# Altium PCB Bran_Main_Assay_PCB_v2_20170828.pcbdoc (part 4 of 5) (continued)
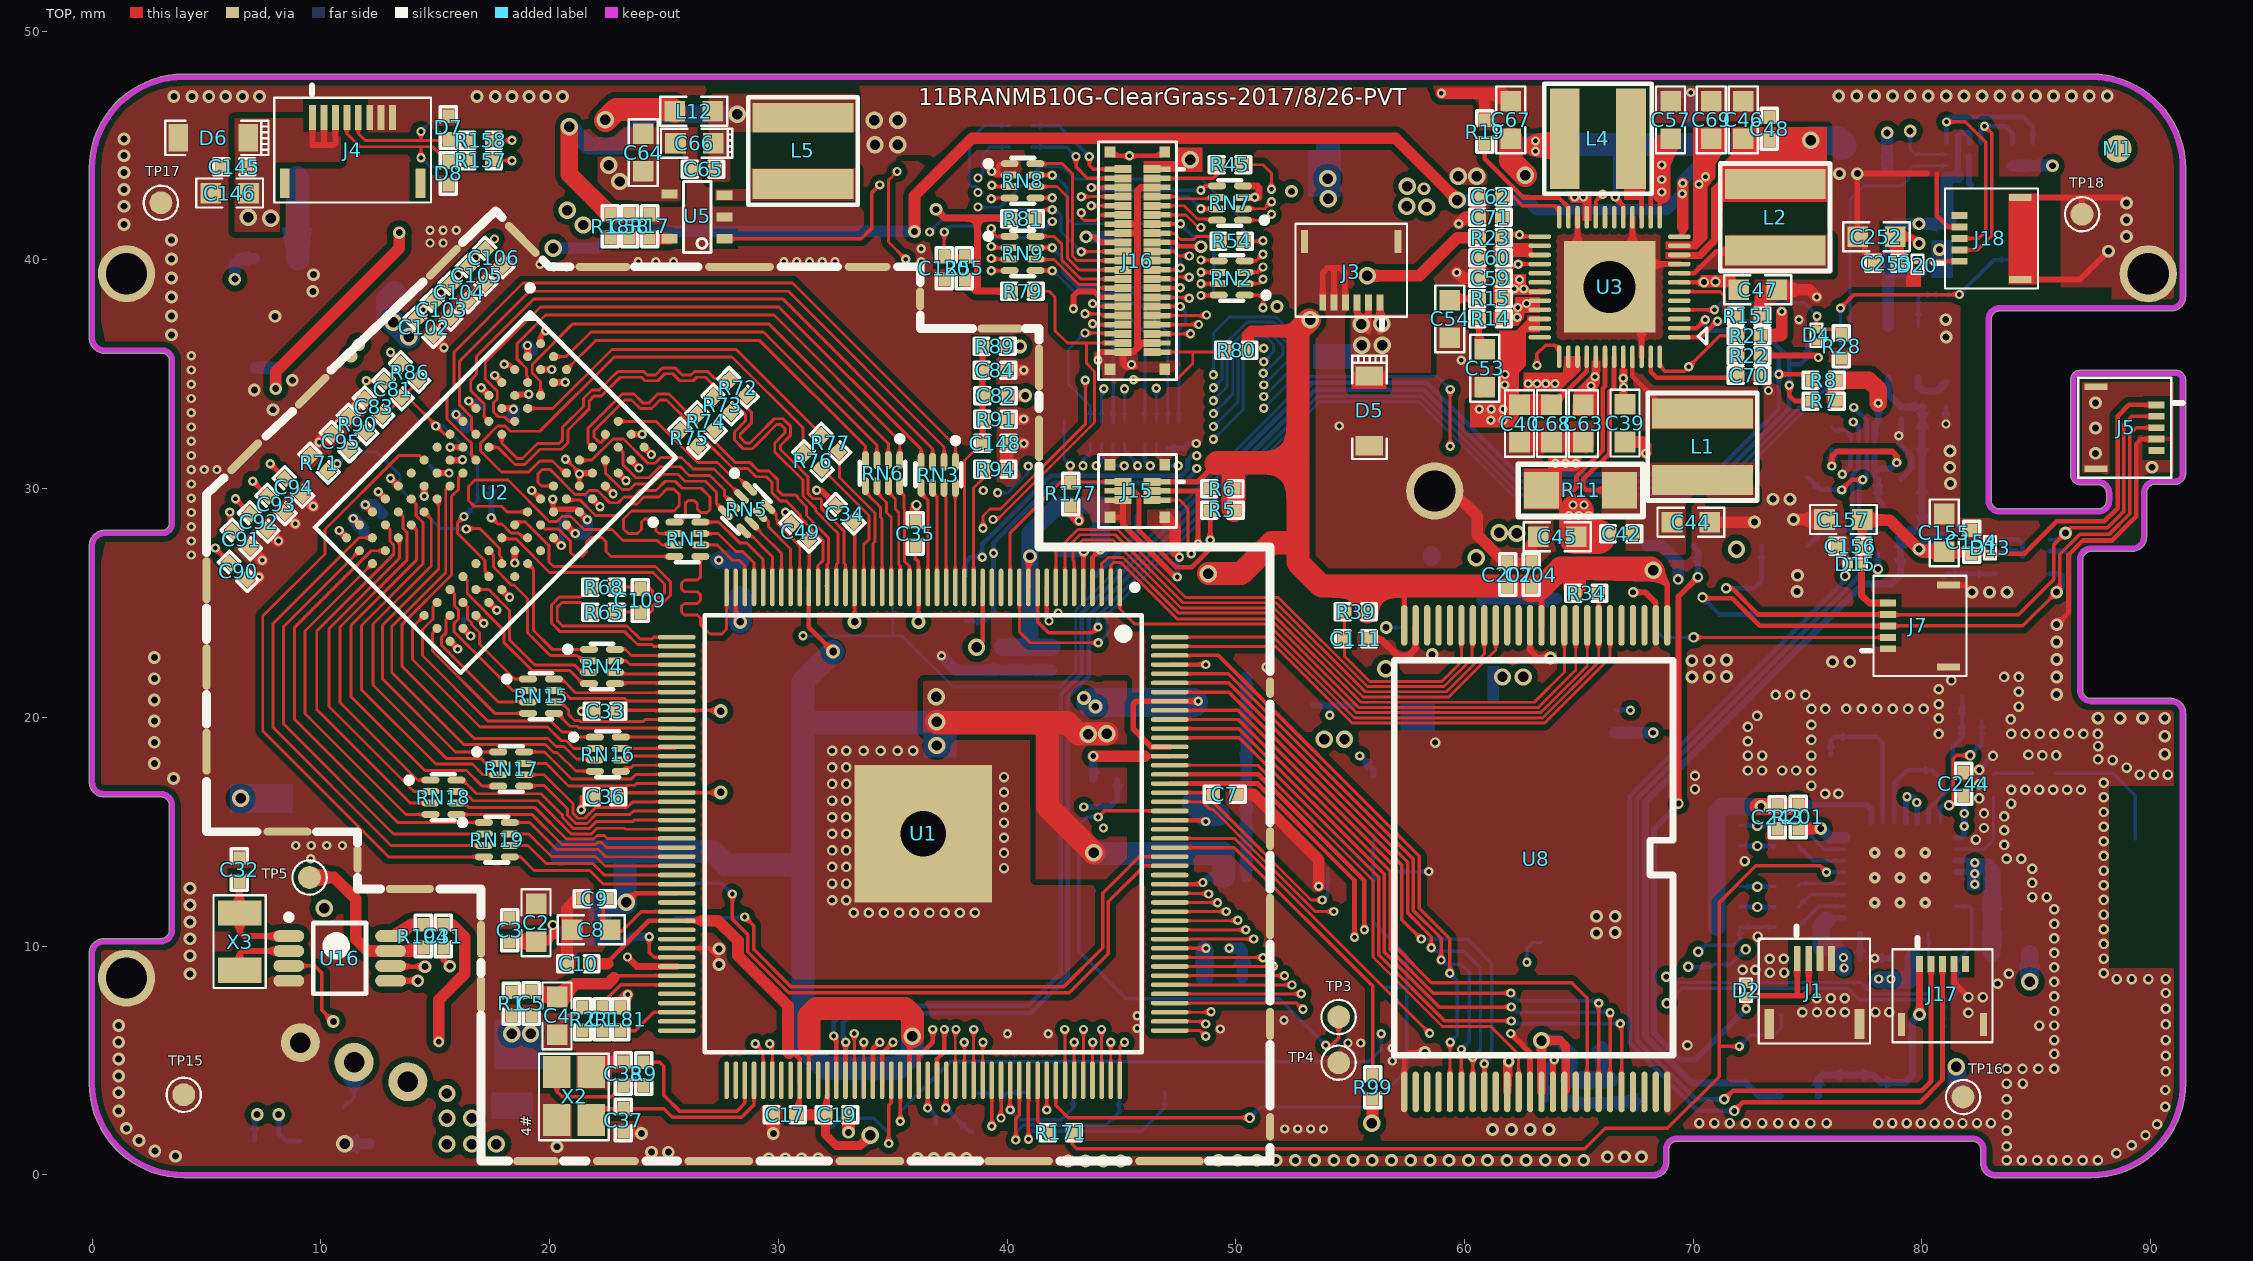
[diagram p0: TOP view]
## Nets (pads, with @x,y where several pads share a name; then routed paths per layer and width w, separated by ;. In a path a pad name is that pad's centre, name@x,y a point inside that pad or via, vN(x,y) a via of type N, cw(c..) or ccw(c..) an arc to the next point about the centre after c; other vN are vias at no path point) (continued)
  Singal w0.203: v3(14.548,9.1) 18.548,5.101 33.896,5.101 34.43,5.634 v1(34.43,5.799) 34.43,7.082 35.268,7.92 38.9,7.92 40.333,9.354 40.333,21.731 39.687,22.377 39.687,26.232 v1(38.911,27.008) ; v1(48.298,31.441) 48.704,31.441 49.314,30.831 49.314,27.478 49.136,27.301 48.628,27.301 v1(48.349,27.58)
  BOTTOM w0.203: TP28.1@38.2,26.2 38.2,26.809 38.399,27.008 v1(38.911,27.008) 38.911,27.57 41.912,30.571 47.622,30.571 47.892,30.841 47.892,31.263 48.069,31.441 v1(48.298,31.441)
TWI1-SDA: J15.4 R5.2 TP29.1 U1.106 U16.5 | length 79.3
  TOP w0.127: J15.4@44.475,29.9 J15.4@45.065,29.9
  TOP w0.203: U16.5@13.082,8.524 U16.5@13.044,8.485 13.045,8.484 v3(14.236,8.484) ; U1.106@34.535,4.133 34.535,5.32 v1(35.014,5.799) ; J15.4@45.065,29.9 45.582,29.9 45.767,29.716 45.767,28.189 47.387,26.568 48.079,26.568 48.882,27.371 v1(48.882,27.758) 48.882,29.119 R5.2@48.89,29.127
  Singal w0.203: v3(14.236,8.484) 14.734,8.484 18.421,4.796 34.15,4.796 35.014,5.66 v1(35.014,5.799) 35.014,7.145 35.484,7.616 39.026,7.616 40.638,9.228 40.638,21.857 40.038,22.457 40.038,26.544 v1(39.408,27.174) ; v1(48.298,30.882) 48.73,30.882 48.882,30.73 v1(48.882,27.758)
  BOTTOM w0.203: TP29.1@38.2,24.2 38.995,24.2 39.408,24.613 v1(39.408,27.174) 39.408,27.636 42.039,30.266 47.748,30.266 48.298,30.816 v1(48.298,30.882)
TWI2-SCK: J5.3 J7.3 J18.3 R4.2 TP35.1 U1.161 U10.1 U20.7 U21.4 | length 108.1
  TOP w0.152: J7.3@78.52,24 84.418,24 v3(85.894,25.476) 86.028,25.611 86.028,27.127 86.917,28.016 88.205,28.016 89.09,28.902 89.09,32.385 89.369,32.664 J5.3@90.263,32.664 ; v1(81.076,46.037) 81.894,46.037 82.791,45.14 82.791,41.245 82.488,40.942 J18.3@81.648,40.942
  TOP w0.203: U1.161@47.11,17.508 50.984,17.508 55.624,12.868 v1(55.624,10.715) ; v2(70.407,25.243) 70.445,25.205 71.712,25.205 72.917,24 J7.3@78.52,24
  Singal w0.203: v1(55.624,10.715) 56.436,10.715 57.528,11.807 60.4,11.807 65.759,17.165 65.759,21.448 68.822,24.511 69.675,24.511 v2(70.407,25.243) 70.729,25.565 70.729,29.315 73.947,32.533 76.005,32.533 v1(77.025,33.553) 77.355,33.884 77.355,42.316 v1(81.076,46.037)
  BOTTOM w0.203: v2(70.407,25.243) 71.15,24.5 TP35.1@73,24.5 ; v1(77.025,33.553) 77.581,32.997 U20.7@77.581,32.11 ; U10.1@81.076,45.119 v1(81.076,46.037) 81.292,46.253 84.417,46.253 84.849,45.822 R4.2@84.849,45.123 ; U21.4@85.578,26.276 86.042,26.276 86.155,26.162 86.155,25.738 v3(85.894,25.476)
TWI2-SDA: J5.2 J7.4 J18.2 R3.2 TP36.1 U1.160 U10.4 U20.6 U21.1 | length 114
  TOP w0.152: J7.4@78.52,24.5 78.535,24.486 84.225,24.486 85.774,26.035 85.774,27.559 v3(86.282,28.067) ; J18.2@81.648,40.442 82.442,40.442 83.054,41.054 83.054,45.533 v1(82.74,45.847) ; v3@86.181,28.067 v3(86.282,28.067) ; J5.2@90.263,33.164 89.184,33.164 88.836,32.817 88.836,29.007 88.111,28.282 86.497,28.282 v3(86.282,28.067)
  TOP w0.203: U1.160@47.11,17.108 50.953,17.108 55.192,12.869 v1(55.192,10.384) ; v2(71.437,25.65) 71.699,25.65 72.848,24.5 J7.4@78.52,24.5
  Singal w0.127: 60.529,11.45 66.089,17.01 66.089,17.533
  Singal w0.203: v1(55.192,10.384) 55.269,10.308 56.461,10.308 57.641,11.488 60.513,11.488 66.064,17.039 66.064,21.322 68.948,24.206 69.98,24.206 70.472,24.698 ; 70.783,25.009 70.472,24.698 ; v2(71.437,25.65) 71.034,25.65 ; v1(82.74,45.847) 81.546,45.847 81.229,45.529 80.999,45.529 77.66,42.19 77.66,33.579 v1(77,32.918) 76.309,32.228 74.074,32.228 71.034,29.188 71.034,25.65 ; 70.472,24.698 70.472,24.685 71.034,25.246 71.034,25.65
  BOTTOM w0.152: U21.1@85.578,27.776 86.005,27.776 86.282,28.053 v3(86.282,28.067)
  BOTTOM w0.203: v2(71.437,25.65) 72.677,25.65 73,25.972 TP36.1@73,27.5 ; v1(77,32.918) 77.231,32.687 U20.6@77.231,32.11 ; U10.4@82.576,45.119 82.576,45.695 82.728,45.847 v1(82.74,45.847) 83.654,45.847 83.96,45.542 R3.2@83.96,45.123
UART0_RX: TP55.1 U1.112 | length 40.8
  TOP w0.203: U1.112@36.935,4.133 36.935,5.064 37.26,5.389 v1(37.26,6.358)
  Singal w0.203: v3(8.153,2.641) 7.518,3.276 7.518,6.406 8.334,7.221 15.134,7.221 18.169,4.187 35.558,4.187 37.26,5.889 v1(37.26,6.358)
  BOTTOM w0.203: v3(8.153,2.641) 8.153,1.803 8.479,1.477 TP55.1@9.1,1.477
UART0_TX: TP54.1 U1.110 | length 39.9
  TOP w0.203: U1.110@36.135,4.133 36.135,5.182 36.752,5.799 v1(36.752,6.358)
  Singal w0.203: v3(7.214,2.641) 7.214,6.532 8.208,7.526 15.26,7.526 18.295,4.491 35.432,4.491 36.752,5.812 v1(36.752,6.358)
  BOTTOM w0.203: TP54.1@7.1,1.477 TP54.1@7.1,1.5 7.1,2.528 v3(7.214,2.641)
UBOOT: TP3.1 TP57.1 U1.157 | length 25.3
  TOP w0.152: v1(43.991,15.642) 44.257,15.908 U1.157@47.11,15.908 ; 54.169,5.655 54.5,5.986 TP3.1@54.5,6.9
  BOTTOM w0.152: v1(43.991,15.642) 43.483,15.642 43.137,15.296 43.137,9.784 45.224,7.696 51.904,7.696 v1(53.936,5.664) 54.255,5.664 54.5,5.91 TP57.1@54.5,6.877
USB0-DM: R157.2 U1.93 | length 49.1
  TOP w0.127: R157.2@17.48,44.342 v1(18.351,44.342) ; v1(28.989,5.736) 29.335,5.39 U1.93@29.335,4.133
  Singal w0.127: v1(18.351,44.342) 18.758,44.748 23.304,44.748 26.17,41.883 26.17,24.202 28.989,21.382 v1(28.989,5.736)
USB0-DP: R158.2 U1.94 | length 49.5
  TOP w0.127: R158.2@17.48,45.231 v1(18.351,45.231) ; v1(29.624,5.736) 29.735,5.625 U1.94@29.735,4.133
  Singal w0.127: v1(18.351,45.231) 18.605,44.977 23.431,44.977 26.398,42.01 26.398,24.296 29.218,21.477 29.218,6.142 v1(29.624,5.736)
USB0-IDET: R99.1 U1.153 | length 15.3
  TOP w0.152: U1.153@47.11,14.308 49.941,14.308 55.98,8.269 R99.1@55.98,4.331
USBVBUS: C145.2 C146.2 D6.1 J4.1 J4.2 J4.3 R15.1 TP33.1 U3.31 | length 59.8
  TOP w0.203: R15.1@61.636,38.311 62.144,38.819 62.46,38.819 62.46,38.791 62.632,38.619 U3.31@63.293,38.619
  TOP w0.254: J4.1@9.632,46.23 9.632,45.02 10.546,45.02 10.632,45.106 J4.3@10.632,46.23 ; 10.132,45.063 J4.2@10.132,46.23
  Singal w1.524: v4@7.048,41.954 8.648,41.954 9.969,43.275 20.085,43.275 v4@21.577,41.783
  POWER w1.524: v4@20.84,42.139 21.736,41.243 34.296,41.243 38.671,45.618 52.819,45.618 54.038,44.399 v4(54.038,42.672)
  other v1: 62.179,38.735 62.586,38.735 62.408,39.141
  other v4: 21.475,41.529 7.81,41.829 6.831,41.867 20.774,42.178 54.025,43.561
VCC-5V: C158.2 C159.1 C226.1 C228.1 D14.1 J6.1 R189.2 TP34.1 U15.5 | length 44.3
  POWER w1.016: v4(18.351,6.172) 18.376,6.147 v4@19.164,6.147 ; v4(19.164,6.172) 19.811,6.82 26.746,6.82 30.34,10.414 40.885,10.414 42.543,12.072 42.543,16.423 43.591,17.471 45.631,17.471 47.159,18.999 v4@54.779,18.999
  other v4: 53.864,19.05 54.753,19.05
VCC-WIFI-3V3: C174.1 C175.1 C176.1 C243.2 C246.1 C247.1 C250.1 R176.2 R179.1 R200.1 R201.1 R204.2 R205.2 R206.2 R207.2 R208.2 U7.1 U7.3 U7.4 U7.11 U7.17 U7.29 U7.30 | length 28.1
  TOP w0.762: v3@72.847,16.103 74.544,16.103 R201.1@74.587,16.146 R201.1@74.553,16.18
  BOTTOM w0.254: 75.831,11.125 75.943,11.237 U7.17@76.618,11.237 ; U7.29@79.293,15.412 79.311,15.431 79.311,16.529 79.616,16.529 79.793,16.352 U7.30@79.793,15.412 ; C246.1@79.446,9.433 79.405,9.474 79.793,9.863 U7.11@79.793,10.562 ; U7.4@81.468,13.237 82.083,13.237 82.308,13.462 82.033,13.737 U7.3@81.468,13.737 ; U7.1@81.468,14.737 81.729,14.737 81.855,14.863 81.851,14.867 C175.1@81.851,16.62
  BOTTOM w0.762: R208.2@71.038,10.828 R207.2@71.038,11.717 R206.2@71.038,14.384 R205.2@71.038,15.273 71.038,15.883 71.248,16.092 73.653,16.092 R204.2@73.72,16.159 ; 75.831,11.125 75.603,10.897 C250.1@75.603,9.974 76.14,9.974 76.572,9.543 v1@76.572,9.042 ; v1@78.143,8.534 R200.1@79.446,8.534 79.612,8.7 C246.1@79.612,9.474 ; v1@82.308,13.462 82.842,13.462 83.057,13.246 83.057,13.132 C174.1@83.057,11.1 R176.2@83.057,9.677
  other v1: 78.117,8.56 78.651,8.56 76.597,9.042 76.572,9.499 82.312,12.7 82.312,13.17 82.312,13.64 81.855,15.24 81.855,15.799 79.78,16.277 79.348,16.531
  other v3: 72.96,16.111
VCCA: C242.1 R195.1 R209.2 U20.1 | length 7.8
  TOP w0.254: v1(76.06,30.988) 76.06,31.394 76.288,31.623 78.701,31.623 78.905,31.42 v1(78.905,31.14)
  BOTTOM w0.254: v1(76.06,30.988) R209.2@76.06,31.682 ; U20.1@77.931,31.44 77.931,30.886 ; R195.1@78.308,29.312 78.079,29.54 78.079,30.408 77.931,30.557 77.931,30.886 ; v1(78.905,31.14) 78.651,30.886 77.931,30.886
VINT: C60.1 U3.26 U3.27 | length 3
  TOP w0.152: C60.1@61.636,40.089 61.766,40.219 62.279,40.219 ; U3.27@63.293,40.219 62.279,40.219 ; U3.26@63.293,40.619 62.428,40.619 62.279,40.47 62.279,40.219
VLED+: C116.2 D12.1 J16.18 TP25.1 | length 35.5
  TOP w0.254: v3(43.447,41.014) 43.828,41.014 44.072,40.77 J16.18@44.475,40.77 J16.18@45.065,40.77
  Singal w0.508: v3(51.803,37.966) 51.829,37.941 51.829,36.121 52.959,34.99 52.959,24.663 55.499,22.123 v4(56.553,22.123)
  POWER w0.508: v3(43.447,41.014) 44.005,41.014 44.742,40.278 44.742,37.23 45.885,36.087 48.349,36.087 48.958,36.696 51.321,36.696 51.803,37.179 v3(51.803,37.966)
  BOTTOM w0.508: v3(43.447,41.014) 44.647,41.014 TP25.1@45.148,40.513
VLED-: J16.17 R50.2 TP27.1 U9.1 | length 33.7
  TOP w0.203: J16.17@46.335,40.77 J16.17@46.925,40.77 47.33,40.77 47.505,40.595 48.463,40.595 v3(48.476,40.583)
  Singal w0.508: v3(52.438,43.002) 52.438,36.373 55.512,33.299 59.372,33.299 60.515,32.156 v4(60.515,26.975) v4@60.515,26.924
  POWER w0.508: v3(48.476,40.583) 49.136,41.243 49.136,42.672 50.221,43.758 51.822,43.758 52.438,43.142 v3(52.438,43.002)
  BOTTOM w0.508: 60.769,25.121 60.848,25.2 TP27.1@64,25.2
VOC_1V8: C236.1 R195.2 R196.1 R197.1 R198.2 TP46.1 U19.5 | length 43.1
  BOTTOM w0.305: R198.2@73.825,3.454 72.873,3.454 72.314,4.013 69.933,4.013 67.906,6.04 67.906,16.312 77.426,25.832 78.676,25.832 79.074,26.23 R197.1@79.074,27.178 R196.1@79.074,28.118 ; U19.5@78.534,34.857 78.534,34.127 79.082,33.579 C236.1@80.056,33.579 80.001,33.524 80.009,33.515 80.009,28.384 79.768,28.143 R196.1@79.1,28.143
VOC_SCL: J17.2 R196.2 TP47.1 U20.2 | length 52.8
  TOP w0.203: v2(71.361,3.302) 71.742,3.683 79.997,3.683 80.4,4.086 J17.2@80.4,9.225 ; v1(76.496,29.946) 76.939,30.39 v1(77.417,30.39)
  BOTTOM w0.203: v2(71.361,3.302) 70.116,3.302 67.525,5.893 67.525,16.434 77.254,26.162 77.254,30.226 v1(77.417,30.39) 77.581,30.553 U20.2@77.581,31.44 ; TP47.1@75,30.5 75.554,29.946 v1(76.496,29.946) ; 77.279,28.143 R196.2@78.1,28.143
VOC_SDA: J17.3 R197.2 TP48.1 U20.3 | length 54.9
  TOP w0.203: v2(71.793,2.794) 72.174,3.175 79.92,3.175 80.9,4.155 J17.3@80.9,9.225
  Singal w0.203: v2(76.644,26.187) 77.778,26.187 v2(78.074,26.484)
  BOTTOM w0.203: v2@71.767,2.794 70.193,2.794 67.221,5.767 67.221,16.56 76.631,25.971 76.631,26.226 v2@76.644,26.238 ; TP48.1@75,27.5 75.694,28.194 76.949,28.194 ; v2(76.644,26.187) v2@76.644,26.238 ; U20.3@77.231,31.44 77.231,30.864 76.949,30.582 76.949,28.194 ; v2(78.074,26.484) R197.2@78.074,27.178 ; v2@76.644,26.238 76.644,27.127 76.949,27.432 76.949,28.194
VPS: R32.2 R35.1 U8.38 | length 3.4
  TOP w0.254: U8.38@63.867,3.624 63.867,4.974 v1(63.93,5.037)
  BOTTOM w0.254: R35.1@63.557,3.259 63.557,4.664 v1(63.93,5.037)
VRA1: C1.2 U1.83 | length 3.9
  TOP w0.152: C1.2@22.233,7.252 22.233,7.424 23.116,8.308 U1.83@25.56,8.308
VRA2: C4.2 C5.2 R1.2 U1.82 | length 8
  TOP w0.152: 22.809,8.611 22.906,8.708 U1.82@25.56,8.708
  TOP w0.508: R1.2@18.314,7.986 C4.2@20.712,7.986 ; C4.2@20.324,7.776 20.501,7.776 C4.2@20.712,7.986 ; 22.809,8.611 22.554,8.356 21.082,8.356 C4.2@20.712,7.986
VRP: C2.2 C3.2 U1.80 | length 9
  TOP w0.152: v1(24.357,10.405) 24.346,10.394 24.346,9.736 24.575,9.508 U1.80@25.56,9.508
  TOP w0.381: C3.2@18.263,10.193 19.871,10.193 20.142,10.465 v2(20.142,10.922)
  BOTTOM w0.381: v2(20.142,10.922) 20.839,10.225 23.405,10.225 23.585,10.405 v1(24.357,10.405)
WE: RN17.1 U2.L3 | length 15.3
  TOP w0.127: U2.L3@15.079,29.551 15.152,29.478 15.152,26.49 12.688,24.026 12.688,21.689 15.885,18.492 RN17.1@17.752,18.492
WI-FI_EN: R180.1 TP44.1 TP87.1 U1.107 U7.7 | length 63.4
  TOP w0.152: v1(34.822,1.367) 34.822,3.032 34.935,3.145 U1.107@34.935,4.133
  Singal w0.152: v1(34.822,1.367) 37.054,1.367 39.568,3.882 45.843,3.882 46.414,4.453 67.94,4.453 68.846,5.359 v2(68.846,7.493)
  BOTTOM w0.152: TP87.1@32,1.777 32.7,2.478 34.174,2.478 34.822,1.83 v1(34.822,1.367) v1@34.822,1.314 ; v2(68.846,7.493) 69.519,8.166 76.758,8.166 77.266,7.658 80.962,7.658 ; TP44.1@80.987,6.513 TP44.1@81,6.5 ; TP44.1@81,6.8 80.962,6.838 80.962,7.658 ; U7.7@81.468,11.737 82.052,11.737 82.181,11.608 82.181,9.974 81.554,9.347 R180.1@81.554,8.534 81.554,7.958 81.254,7.658 80.962,7.658
WIFI_3V3: C63.2 C69.2 R176.1 TP51.1 U3.11 U3.41 | length 71.4
  TOP w0.203: C63.2@65.2,33.676 65.2,33.993 65.749,34.542 65.749,35.763 U3.41@65.743,35.769
  POWER w0.762: v1(65.71,34.899) 65.71,34.264 67.386,32.588 72.732,32.588 ; v1@70.236,43.48 71.772,43.48 72.605,42.647 72.605,32.715 72.732,32.588 ; v4@81.509,4.699 81.509,6.219 ; v4(84.721,8.433) 82.507,6.219 81.509,6.219 ; 72.732,32.588 73.164,32.588 75.806,29.947 75.806,24.409 71.081,19.685 71.081,7.514 72.377,6.219 81.509,6.219
  BOTTOM w0.762: v4(81.495,4.724) 81.495,3.682 TP51.1@81.8,3.377 ; R176.1@84.708,9.677 84.721,9.665 v4(84.721,8.433)
  other v1: 65.532,34.493 70.256,43.307 70.536,43.637
WL-RESTN: C244.2 C245.1 R202.1 TP45.1 U1.124 U7.32 | length 57
  TOP w0.152: v1(41.735,2.838) U1.124@41.735,4.133 ; v2(81.191,16.154) 81.376,16.34 81.376,16.594 ; C244.2@81.826,16.594 81.376,16.594 ; v2(82.118,18.339) 81.521,18.339 81.376,18.194 81.376,16.594
  Singal w0.152: v1(41.735,2.838) 41.862,2.711 45.031,2.711 46.519,4.199 68.301,4.199 69.266,5.165 69.266,8.573 v2(69.786,9.093) ; v2(72.301,9.855) 75.836,9.855 77.292,11.311 77.292,14.16 77.762,14.63 80.835,14.63 81.191,14.986 v2(81.191,16.154)
  BOTTOM w0.152: v2@69.735,9.093 v2(69.786,9.093) 70.793,9.093 TP45.1@70.9,9.2 71.645,9.2 v2(72.301,9.855) ; U7.32@80.793,15.412 80.793,16.062 80.886,16.154 v2(81.191,16.154) ; v2(82.118,18.339) 82.618,18.839 C245.1@82.618,18.999 R202.1@82.618,19.863
WL-SDIO-CLK: R171.1 U1.123 | length 2.5
  TOP w0.152: U1.123@41.335,4.133 41.335,2.348 R171.1@41.854,1.829
WL-SDIO-CMD: R170.1 R179.2 TP42.1 U1.122 | length 52.2
  TOP w0.152: v1@40.846,1.638 v1(40.935,1.549) ; v1@40.935,1.521 v1(40.935,1.549) ; U1.122@40.935,4.133 40.932,4.13 40.932,2.384 40.935,2.381 v1(40.935,1.549)
  Singal w0.152: v1(40.935,1.549) 45.306,1.549 46.94,3.183 69.359,3.183 71.361,5.185 71.361,12.116 71.843,12.598 v2(72.809,12.598)
  BOTTOM w0.152: v1(40.935,1.549) 40.935,1.807 41.033,1.905 45.859,1.905 46.892,2.938 46.9,2.938 TP42.1@46.9,3.6 ; R179.2@72.039,12.606 R170.1@73.59,12.606
WL-SDIO-D0: R172.1 R206.1 TP41.1 U1.118 | length 49.5
  TOP w0.152: v1(39.335,2.127) U1.118@39.335,4.133
  Singal w0.152: v1(39.335,2.127) 39.513,1.949 45.347,1.949 46.835,3.437 69.254,3.437 71.107,5.29 71.107,13.818 71.666,14.376 v2(72.809,14.376)
  BOTTOM w0.152: TP41.1@38.5,3.6 38.544,3.556 39.154,3.556 39.335,3.374 v1(39.335,2.127) ; R206.1@72.038,14.384 R172.1@73.59,14.384 R172.1@73.527,14.321
WL-SDIO-D1: R173.1 R205.1 TP40.1 U1.119 | length 49.6
  TOP w0.152: v1@39.735,2.384 v1(39.735,2.482) U1.119@39.735,4.133
  Singal w0.152: v1(39.735,2.482) 40.015,2.203 45.241,2.203 46.73,3.691 69.148,3.691 70.853,5.396 70.853,14.529 71.589,15.265 v2(72.809,15.265) v2@72.834,15.265
  BOTTOM w0.152: v1@39.673,2.545 v1(39.735,2.482) 39.735,3.299 40.036,3.6 TP40.1@40.9,3.6 ; R205.1@72.038,15.273 73.709,15.273 R173.1@73.715,15.279
WL-SDIO-D2: R168.1 R208.1 TP39.1 U1.120 | length 45.5
  TOP w0.152: v1(40.135,2.838) U1.120@40.135,4.133
  Singal w0.152: v1(40.135,2.838) 40.516,2.457 45.136,2.457 46.624,3.945 69.043,3.945 70.599,5.501 70.599,8.458 70.218,8.839 v2(70.218,9.754)
  BOTTOM w0.152: v1(40.135,2.838) 40.56,2.413 42.375,2.413 42.9,2.938 TP39.1@42.9,3.6 ; v2(70.218,9.754) 70.497,10.033 71.793,10.033 72.038,10.279 R208.1@72.038,10.828 R168.1@73.59,10.828
WL-SDIO-D3: R169.1 R207.1 TP38.1 U1.121 | length 50.9
  TOP w0.127: U1.121@40.535,4.133 U1.121@40.538,4.13
  TOP w0.152: v1(40.384,1.52) 40.384,2.462 40.538,2.616 U1.121@40.538,4.13
  Singal w0.152: v1(40.384,1.52) 40.736,1.168 45.284,1.168 47.045,2.929 69.464,2.929 71.615,5.08 71.615,11.1 72.224,11.709 v2(72.809,11.709)
  BOTTOM w0.152: v1(40.384,1.52) 40.384,1.84 40.703,2.159 44.31,2.159 44.919,2.769 44.9,2.788 TP38.1@44.9,3.6 ; R207.1@72.038,11.717 R169.1@73.59,11.717 R169.1@73.527,11.654
WL-WAKE-UP: R200.2 R203.1 TP37.1 U1.154 U7.10 | length 43
  TOP w0.127: U1.154@47.11,14.708 49.954,14.708 v1(58.474,6.188)
  Singal w0.127: v1@58.481,6.181 59.739,6.181 62.22,8.661 62.475,8.661 ; v1(62.729,9.296) 62.475,9.042 62.475,8.661 ; v2(68.821,8.661) 62.475,8.661
  BOTTOM w0.127: v1(62.729,9.296) 62.729,9.906 62.983,10.16 63.36,10.16 TP37.1@63.4,10.2 ; v2(68.821,8.661) 69.075,8.407 77.271,8.407 R203.1@77.304,8.441 77.846,7.899 80.243,7.899 80.446,8.103 R200.2@80.446,8.534 80.446,9.228 80.293,9.381 U7.10@80.293,10.562
X24MI: C37.2 U1.92 X2.1 | length 9
  TOP w0.152: X2.1@21.817,2.395 21.817,2.713 21.999,2.895 C37.2@23.214,2.895 24.981,2.895 25.361,2.515 28.388,2.515 28.935,3.062 U1.92@28.935,4.133
X24MO: R9.1 U1.91 | length 7.2
  TOP w0.152: R9.1@24.117,4.927 24.81,4.927 24.992,4.745 24.992,3.475 25.699,2.769 28.181,2.769 28.535,3.123 U1.91@28.535,4.133
XTAL_IN: C220.1 U7.28 X1.1 | length 4.1
  BOTTOM w0.203: U7.28@78.793,15.412 78.793,17.119 79.36,17.686 80.442,17.686 C220.1@80.772,17.356
XTAL_OUT: C221.1 U7.27 X1.3 | length 6.5
  BOTTOM w0.203: C221.1@76.022,18.356 76.022,18.984 76.186,19.147 78.027,19.147 78.293,18.881 U7.27@78.293,15.412
pads on no net: J4.9 J4.10 J5.5 J6.3 J6.4 J17.5 J18.5 M1.4 M1.5 M2.4 M2.5 U1.14 U1.15 U1.74 U1.77 U1.78 U1.84 U1.85 U1.87 U1.88 U1.89 U1.90 U1.95 U1.96 U1.99 U1.150 U1.155 U2.J1 U2.J9 U2.L1 U2.L9 U2.M7 U3.3 U3.5 U3.18 U3.19 U3.29 U3.30 U7.5 U7.6 U7.8 U7.9 U7.12 U7.13 U7.14 U7.15 U7.25 U8.3 U8.4 U8.5 U8.11 U8.14 U8.15 U8.20 U8.21 U8.22 U8.26 U8.27 U8.28 U8.33 U8.40 U8.45 U8.46 U8.47 U9.2 U21.3 U21.6

## Polygon pours and split planes (outlines as drawn)
GND on TOP "Bottom-No Net" (solid, remove dead copper, pour order 613): -5.031,50.825 -4.319,50.114 92.074,50.114 92.074,-2.692 91.667,-2.286 -5.031,-2.286
CORE-VDD on TOP "Bottom Layer-No Net" (solid, remove dead copper, pour order 550): 36.538,21.609 45.225,21.609 45.25,21.583 45.225,21.558 45.225,15.056 45.225,12.973 45.199,12.947 45.174,12.922 41.262,12.922 41.262,19.221 41.237,19.247 41.135,19.348 36.335,19.348 36.335,21.558 36.385,21.609
IPSOUT on TOP "TOP-No Net 1" (solid, remove dead copper, pour order 560): 22.111,44.52 22.111,42.564 25.641,42.564 25.768,42.437 25.743,42.462 25.743,44.52
N502826 on TOP "TOP-No Net 1" (solid, remove dead copper, pour order 552): 33.363,45.612 27.902,45.612 27.902,43.478 27.826,43.402 27.8,43.427 26.962,43.427 26.962,47.085 27.038,47.161 27.14,47.263 33.363,47.263
N502982 on TOP "TOP-No Net 1" (solid, remove dead copper, pour order 551): 33.439,43.986 33.464,43.961 33.464,42.589 27.241,42.589 27.241,43.097 28.816,43.097 28.816,44.012 33.363,44.012 33.388,43.986
N497618 on TOP "TOP-No Net 1" (solid, remove dead copper, pour order 546): 67.343,35.263 67.365,35.241 68.143,35.241 68.502,34.882 68.629,35.009 72.82,35.009 72.82,32.596 72.695,32.471 67.552,32.471 67.552,34.059 67.613,34.12 67.486,34.247 67.359,34.247
N496496 on TOP "Bottom Layer-No Net" (solid, remove dead copper, pour order 544): 69.899,39.454 69.899,40.216 69.902,40.219 70.283,40.219 71.042,40.978 71.169,41.105 71.423,41.105 75.82,41.105 75.884,41.169 76.074,40.978 76.074,39.4 71.35,39.4 71.296,39.454 70.661,39.454 69.934,39.454 69.899,39.419
DCIN-5V on TOP "TOP-No Net 1" (solid, remove dead copper, pour order 556): 55.029,37.625 55.029,35.107 55.054,35.077 58.534,35.077 58.534,37.712 58.458,37.625 55.029,37.625
N496392 on TOP "Bottom Layer-No Net" (solid, remove dead copper, pour order 548): 66.027,31.058 66.002,31.032 66.002,28.746 67.043,28.746 67.043,27.121 69.609,27.121 69.634,27.095 69.685,27.146 69.685,29.457 72.733,29.457 72.758,29.432 72.758,31.134 66.027,31.134 66.002,31.108
GND on TOP "GRD" (solid, pour order 561): 86.118,35.331 86.22,35.23 91.782,35.23 91.782,30.226 91.63,30.074 91.528,29.972 86.22,29.972
IPSOUT on TOP "Bottom Layer-No Net" (solid, remove dead copper, pour order 531): 33.566,48.743 33.566,43.383 33.566,42.977 33.786,42.756 61.636,42.756 61.636,49.323 61.175,49.784
USBVBUS on TOP "Bottom Layer-No Net" (solid, remove dead copper, pour order 538): 8.089,41.224 6.235,41.224 6.235,46.203 7.531,46.203 9.232,46.203 9.232,45.745 9.232,45.593 10.858,45.593 10.858,43.942 10.706,44.094 7.912,44.094 8.191,44.094 8.191,42.316 8.191,41.224
N17550467 on BOTTOM "Bottom Layer-No Net" (solid, pour order 543): 57.594,15.261 64.275,15.261 64.452,15.261 64.452,13.61 64.427,13.635 62.116,13.635 57.594,13.635
N17550444 on BOTTOM "Bottom Layer-No Net" (solid, pour order 542): 57.569,16.709 65.9,16.709 65.9,19.528 65.9,19.757 65.037,19.757 63.741,19.757 63.741,19.376 63.741,18.055 63.309,18.055 58.966,18.055 58.966,18.309 58.966,18.385 58.331,18.385 57.569,18.385
IPSOUT on BOTTOM "Bottom Layer-No Net" (solid, pour order 541): 59.22,20.697 61.481,20.697 61.481,22.043 61.481,22.246 62.852,22.246 63.665,22.246 63.665,21.459 63.665,19.909 63.69,19.884 63.69,19.147 63.69,18.385 63.563,18.258 59.22,18.258
N499376 on BOTTOM "Bottom Layer-No Net" (solid, pour order 540): 6.794,38.096 7.379,38.096 7.379,36.775 8.293,36.775 8.471,36.775 8.471,36.216 8.471,35.81 7.506,35.81 5.778,35.81 5.778,36.775 6.82,36.775 6.82,37.791 6.82,38.096
BAT on BOTTOM "Bottom Layer-No Net" (solid, remove dead copper, pour order 539): 12.825,5.113 16.508,5.113 17.778,3.843 18.134,3.488 18.134,2.573 18.134,0.617 18.108,0.592 13.943,0.592 12.851,0.592 12.825,0.617
CORE-VDD on BOTTOM "Bottom Layer-No Net" (solid, remove dead copper, pour order 554): 43.37,14.395 43.37,12.693 43.345,12.668 43.345,12.541 49.822,12.541 49.619,12.744 49.619,14.852 43.37,14.852
CPU-VDD on BOTTOM "Bottom Layer-No Net" (solid, remove dead copper, pour order 553): 43.599,21.329 44.132,21.329 44.132,21.837 44.158,21.863 45.377,23.082 45.86,23.565 49.873,23.565 49.873,15.081 49.847,15.056 49.695,15.208 46.749,15.208 46.749,19.856 46.647,19.958 43.624,19.958
N499368 on BOTTOM "TOP-No Net 1" (solid, remove dead copper, pour order 547): 14.11,46.018 14.084,45.993 14.084,39.744 10.02,39.744 9.995,39.719 10.02,39.744 10.02,40.913 11.214,40.913 11.239,40.938 11.239,45.993
DCIN-5V on BOTTOM "TOP-No Net 1" (solid, remove dead copper, pour order 557): 62.751,38.195 62.7,38.139 55.029,38.139 55.029,35.105 55.004,35.077 55.029,35.105 62.09,35.105 62.09,36.775 62.116,36.803 62.141,36.775 62.751,36.775
IPSOUT on BOTTOM "TOP-No Net 1" (solid, remove dead copper, pour order 558): 12.027,36.646 12.001,36.62 9.588,36.62 9.588,38.093 8.674,38.093 8.674,35.452 8.75,35.376 12.027,35.376
GND on BOTTOM "GRD" (solid, remove dead copper, pour order 562): 86.042,35.306 91.681,35.306 91.732,35.357 91.528,35.154 91.528,30.226 85.89,30.226 85.864,30.201
VLED- on BOTTOM "Bottom Layer-No Net" (solid, remove dead copper, pour order 525): 59.042,24.358 59.067,24.333 61.125,24.333 61.125,27.407 61.15,27.432 61.099,27.382 59.956,27.382 59.829,27.382 59.829,25.176 59.829,24.879 59.27,24.879 59.042,24.879
N17800564 on BOTTOM "Bottom Layer-No Net" (solid, remove dead copper, pour order 526): 57.746,23.419 57.746,23.622 56.095,23.622 56.07,23.647 56.095,23.673 56.095,24.46 51.244,24.46 51.244,22.073 51.879,22.073 51.879,21.082 53.276,21.082 53.301,21.107 53.327,21.133 53.327,22.809 57.696,22.809 57.746,22.86
N17800108 on BOTTOM "Bottom Layer-No Net" (solid, remove dead copper, pour order 529): 57.442,27.788 51.244,27.788 51.244,26.594 51.244,25.933 51.269,25.959 56.019,25.959 56.019,24.435 56.045,24.46 57.772,24.46 57.772,24.816 57.746,24.79 57.442,24.79 57.442,27.788
IPSOUT on BOTTOM "Bottom Layer-No Net" (solid, remove dead copper, pour order 532): 58.1,26.139 58.135,26.167 60.176,26.167 60.176,27.689 64.115,27.689 64.186,27.745 64.186,28.88 58.135,28.88 58.1,28.852 57.924,28.852 57.924,26.111
VLED+ on BOTTOM "Bottom Layer-No Net" (solid, remove dead copper, pour order 534): 53.53,22.657 58,22.657 58,21.647 58,21.311 54.216,21.311 53.581,21.311 53.53,21.367
HPVCC on BOTTOM "Bottom Layer-No Net" (solid, remove dead copper, pour order 530): 47.561,44.907 47.589,44.933 53.001,44.933 53.001,43.555 53.022,43.536 50.393,43.536 47.564,43.536 47.561,43.538
VCC-5V on BOTTOM "Bottom Layer-No Net" (solid, remove dead copper, pour order 528): 18.326,6.096 21.069,6.096 27.114,6.096 27.114,5.588 27.114,4.597 24.218,4.597 18.554,4.597 18.326,4.369
VCC-5V on BOTTOM "Bottom Layer-No Net" (solid, remove dead copper, pour order 533): 57.34,16.739 57.34,19.355 57.34,21.031 57.315,21.057 55.664,21.057 55.664,19.863 53.809,19.863 52.895,19.863 52.895,18.466 52.895,16.967 54.775,16.967 55.156,16.967 55.156,18.009 55.156,18.593 55.918,18.593 56.502,18.593 56.502,17.983 56.502,16.739
CORE-VDD on BOTTOM "Bottom Layer-No Net" (solid, remove dead copper, pour order 536): 58.788,41.91 54.825,41.91 54.825,46.965 58.661,46.965 68.135,46.965 68.135,45.974 68.135,44.171 68.084,44.221 61.506,44.221 58.788,44.221
USBVBUS on BOTTOM "Bottom Layer-No Net" (solid, remove dead copper, pour order 537): 53.149,44.069 55.257,44.069 55.257,41.453 55.283,41.478 56.299,41.478 61.76,41.478 62.547,40.691 62.953,40.284 62.953,38.329 53.251,38.329 53.149,38.43
CORE-VDD on BOTTOM "Bottom Layer-No Net" (solid, remove dead copper, pour order 555): 36.36,6.572 36.36,4.642 35.496,3.778 35.268,3.549 30.62,3.549 30.264,3.549 30.213,3.499 30.162,3.549 30.162,17.799 30.162,23.463 30.188,23.488 30.213,23.514 35.725,23.514 37.401,23.514 37.655,23.26 37.782,23.133 37.782,19.145 37.782,18.916 37.732,18.866 37.706,18.891 31.813,18.891 31.813,6.572 31.839,6.547
GND on BOTTOM "Bottom-No Net" (solid, remove dead copper, pour order 609): -3.735,50.089 92.658,50.089 92.81,49.936 92.81,-2.261 92.048,-3.023 -0.408,-3.023 -1.779,-1.651
BAT on POWER "Bottom Layer-No Net" (solid, remove dead copper, pour order 45): 14.926,0.914 18.127,0.914 18.127,1.575 18.889,1.575 31.335,1.575 32.884,3.124 32.884,5.969 43.4,5.969 47.87,10.439 48.53,11.1 48.53,13.563 48.53,14.833 48.988,15.291 49.089,15.392 52.239,15.392 52.29,15.392 53.306,14.376 57.446,10.236 59.478,10.236 63.364,10.236 65.015,11.887 66.615,13.487 66.615,15.646 66.615,31.496 66.615,31.902 66.615,32.131 65.675,33.071 64.329,34.417 62.602,34.417 62.602,33.452 63.262,32.791 63.77,32.283 63.77,29.921 63.77,15.214 62.932,14.376 62.119,13.563 58.487,13.563 58.436,13.563 55.668,16.332 53.814,18.186 47.692,18.186 47.54,18.186 45.508,16.154 45.025,15.672 45.025,12.319 45.025,12.166 44.162,11.303 41.876,9.017 39.107,9.017 31.385,9.017 29.734,7.366 29.506,7.137 29.506,5.004 29.15,4.648 28.998,4.496 14.926,4.496
DRAM-VCC on POWER "TOP-No Net 1" (solid, remove dead copper, pour order 559): 16.116,41.218 17.945,41.218 19.926,39.236 20.307,39.236 40.424,39.236 41.008,38.652 41.389,38.271 41.389,32.632 41.211,32.632 37.732,29.153 37.605,29.026 37.605,23.692 28.359,23.692 28.334,23.666 28.257,23.59 28.257,16.199 28.257,14.802 28.232,14.776 28.181,14.725 4.966,14.725 4.966,29.635 16.573,41.243
VCC-WIFI-3V3 on POWER "Bottom Layer-No Net" (solid, remove dead copper, pour order 535): 71.666,16.561 71.64,16.535 71.64,11.709 71.64,7.823 71.666,7.849 78.27,7.849 83.731,7.849 83.756,7.823 82.969,8.611 82.969,17.043 71.716,17.043 71.666,16.993
IPSOUT on POWER "GRD" (solid, remove dead copper, pour order 563): 59.96,44.399 60.069,44.501 71.205,44.501 71.205,38.608 71.259,38.557 71.232,38.532 71.232,34.442 71.232,33.884 71.178,33.833 71.15,33.807 59.988,33.807
BAT on POWER "Bottom Layer-No Net" (solid, remove dead copper, pour order 47): 29.506,6.858 29.506,7.772 30.75,9.017 31.081,9.347 33.036,9.347 41.368,9.347 43.247,11.227 44.39,12.37 44.39,15.011 44.39,15.951 44.873,16.434 45.025,16.586 46.93,16.586 46.93,11.735 44.543,9.347 43.196,8.001 31.792,8.001 31.792,7.925 30.75,6.883
BAT on POWER "Bottom Layer-No Net" (solid, remove dead copper, pour order 49): 29.506,7.747 26.051,4.292 25.95,4.292 25.95,3.632 26.051,3.53 26.28,3.759 30.446,3.759 30.446,7.848